# Allegro board OE19_pdb_1v01_b_0704_1000_customer.brd (continued)
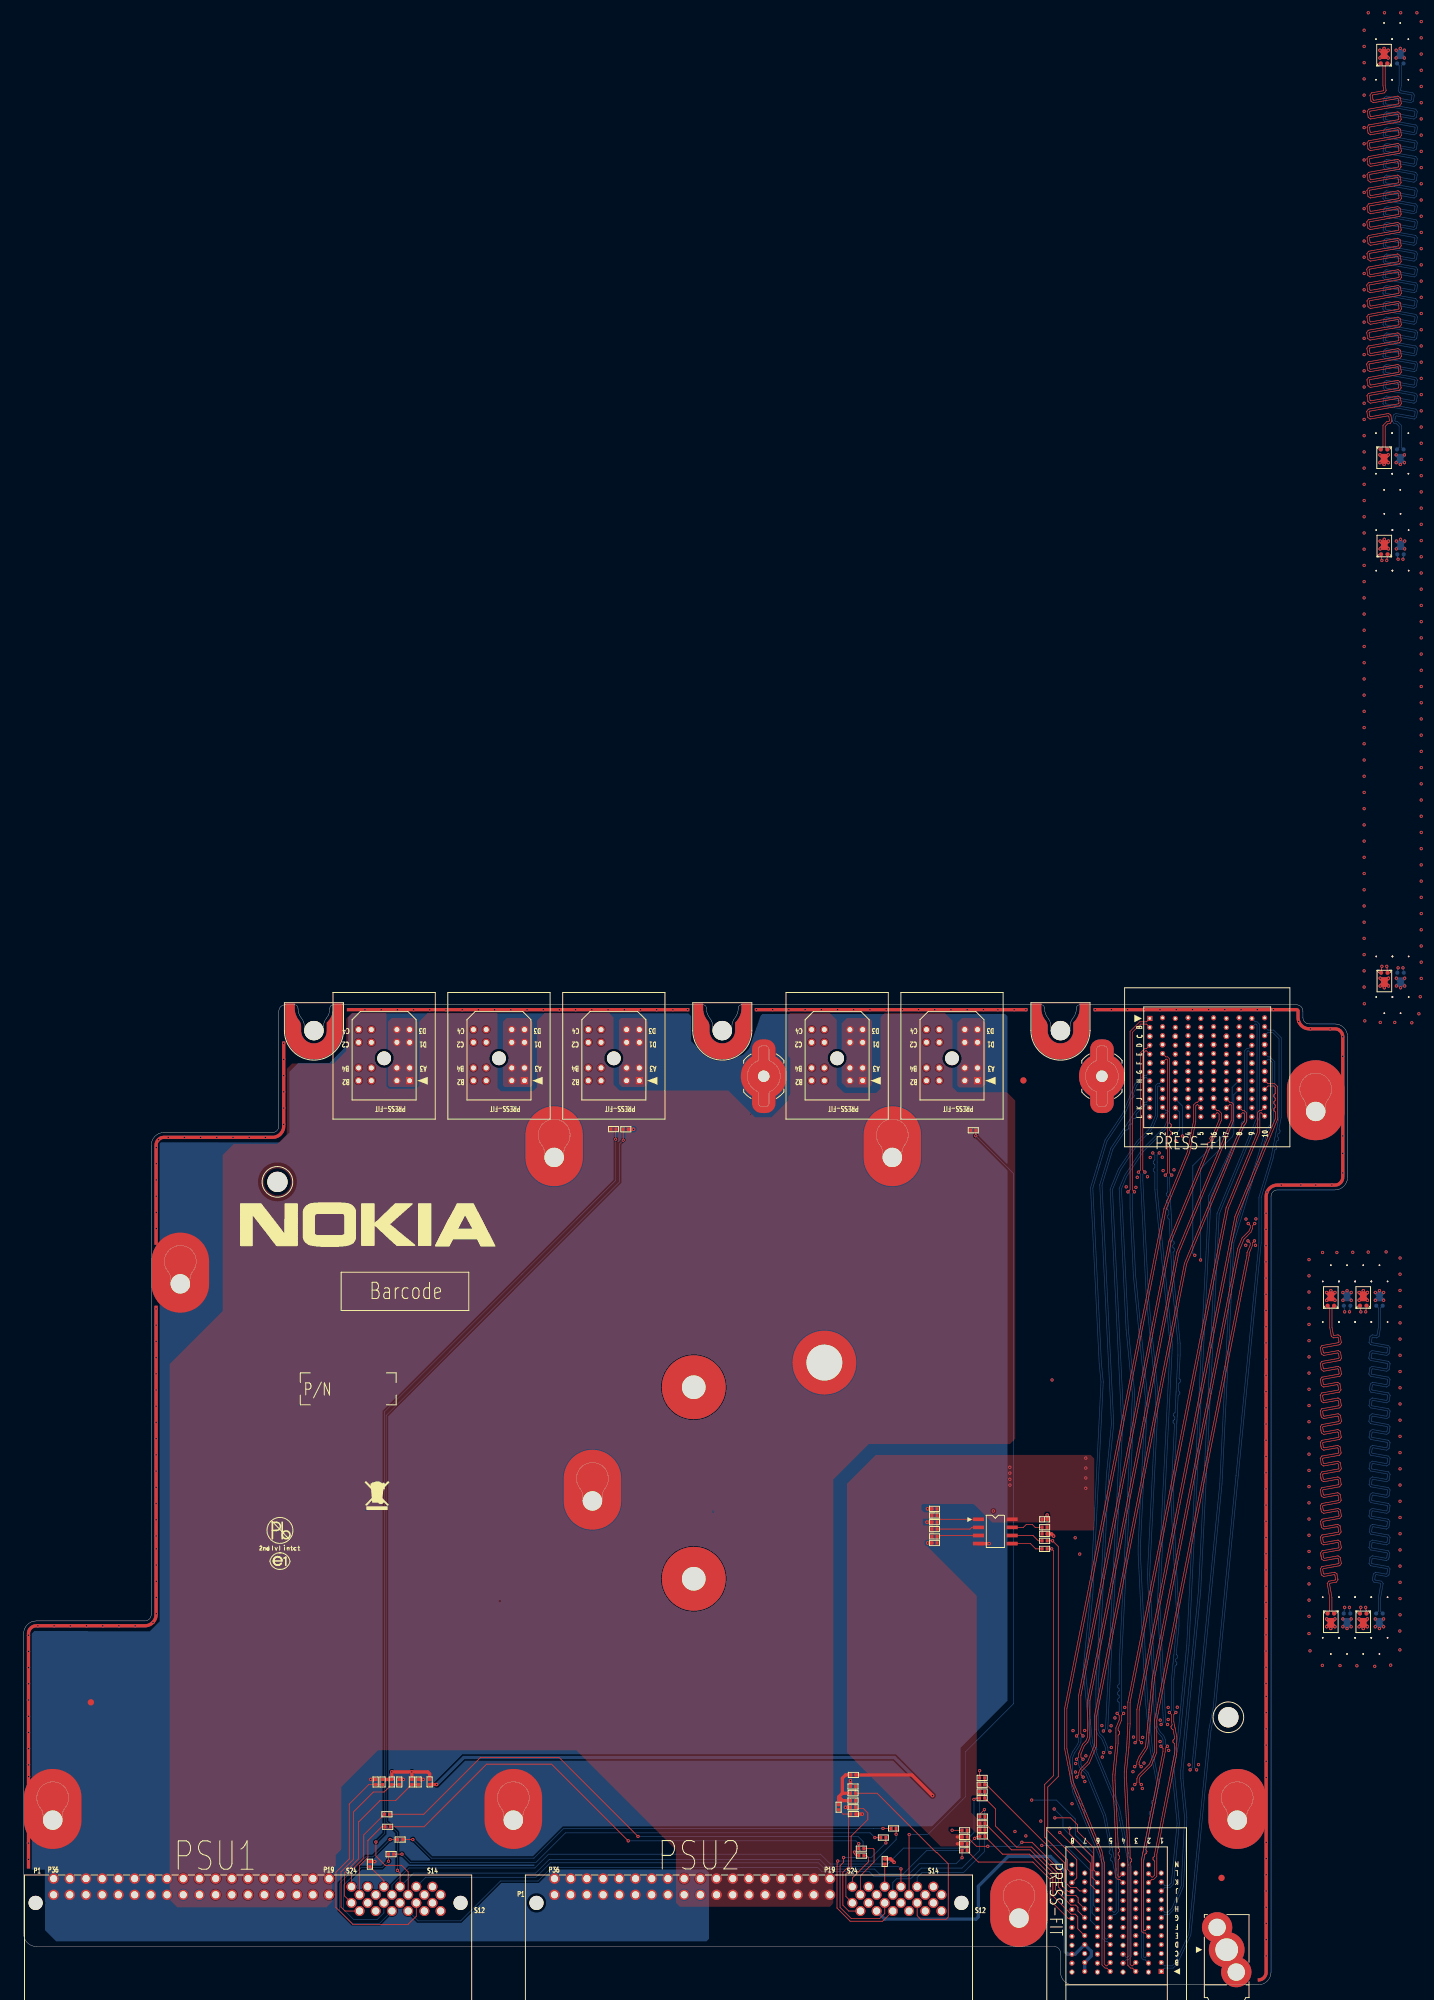
[diagram p0: board, top side]
## Routing (per net, layer and track width the routed paths; a pad name or vN(x,y) marks a point on that pad's centre or on a via; arc(x,y) is an arc through that point) (continued)

## Copper pours and planes (outline as drawn; the poured copper is in the pictures)
GND on TOP (solid shape): 104.33,152.48 50.66,152.48 50.66,152.99 104.33,152.99
GND on TOP (solid shape): 157.33,152.48 114.59,152.48 114.59,152.99 157.33,152.99
GND on TOP (solid shape): 21.02,58 20.43,56.57 19,55.98 2,55.98 1.3,55.7 1.02,55 1.02,18.22 0.51,18.22 0.51,55 0.94,56.05 2,56.49 19,56.49 20.07,56.93 20.51,58 20.51,106.37 21.02,106.37
GND on TOP (solid shape): 41.02,134.5 40.42,133.07 39,132.48 22,132.48 21.3,132.2 21.02,131.5 21.02,115.91 20.51,115.91 20.51,131.5 20.94,132.56 22,132.99 39,132.99 40.07,133.43 40.51,134.5 40.51,147.73 41.02,147.73
GND on TOP (solid shape): 199.5,152.99 199.85,152.85 199.99,152.5 199.99,151.5 200.43,150.43 201.5,149.99 205.5,149.99 206.55,149.56 206.99,148.5 206.99,126.5 206.55,125.44 205.5,125.01 196.5,125.01 195.43,124.57 194.99,123.5 194.99,2 194.55,0.94 193.5,0.51 193.42,0.51 193.42,1.02 193.5,1.02 194.2,1.3 194.48,2 194.48,123.5 195.07,124.93 196.5,125.52 205.5,125.52 206.2,125.8 206.48,126.5 206.48,148.5 206.2,149.2 205.5,149.48 201.5,149.48 200.07,150.07 199.48,151.5 199.48,152.48 167.68,152.48 167.68,152.99
GND on BOTTOM (solid shape): 104.33,152.48 68.44,152.48 68.44,152.99 104.33,152.99
GND on BOTTOM (solid shape): 157.33,152.48 114.59,152.48 114.59,152.99 157.33,152.99
GND on BOTTOM (solid shape): 21.02,58 20.43,56.57 19,55.98 2,55.98 1.3,55.7 1.02,55 1.02,18.22 0.51,18.22 0.51,55 0.94,56.05 2,56.49 19,56.49 20.07,56.93 20.51,58 20.51,106.37 21.02,106.37
GND on BOTTOM (solid shape): 41.02,134.5 40.42,133.07 39,132.48 22,132.48 21.3,132.2 21.02,131.5 21.02,115.91 20.51,115.91 20.51,131.5 20.94,132.56 22,132.99 39,132.99 40.07,133.43 40.51,134.5 40.51,147.74 41.02,147.74
GND on BOTTOM (solid shape): 199.5,152.99 199.85,152.85 199.99,152.5 199.99,151.5 200.43,150.43 201.5,149.99 205.5,149.99 206.55,149.56 206.99,148.5 206.99,126.5 206.55,125.44 205.5,125.01 196.5,125.01 195.43,124.57 194.99,123.5 194.99,2 194.55,0.94 193.5,0.51 193.42,0.51 193.42,1.02 193.5,1.02 194.2,1.3 194.48,2 194.48,123.5 195.07,124.93 196.5,125.52 205.5,125.52 206.2,125.8 206.48,126.5 206.48,148.5 206.2,149.2 205.5,149.48 201.5,149.48 200.07,150.07 199.48,151.5 199.48,152.48 167.68,152.48 167.68,152.99
GND on BOTTOM (solid shape): outline of 5859 points within 1.28,6.81 154.2,152.18
GND on GND (solid shape): outline of 2787 points within 0.51,0.51 206.99,152.99
GND on IN1 (solid shape): 104.33,152.48 68.44,152.48 68.44,152.99 104.33,152.99
GND on IN1 (solid shape): 157.33,152.48 114.59,152.48 114.59,152.99 157.33,152.99
GND on IN1 (solid shape): 21.02,58 20.43,56.57 19,55.98 2,55.98 1.3,55.7 1.02,55 1.02,18.22 0.51,18.22 0.51,55 0.94,56.05 2,56.49 19,56.49 20.07,56.93 20.51,58 20.51,106.37 21.02,106.37
GND on IN1 (solid shape): 41.02,134.5 40.42,133.07 39,132.48 22,132.48 21.3,132.2 21.02,131.5 21.02,115.91 20.51,115.91 20.51,131.5 20.94,132.56 22,132.99 39,132.99 40.07,133.43 40.51,134.5 40.51,147.77 41.02,147.77
GND on IN1 (solid shape): 199.5,152.99 199.85,152.85 199.99,152.5 199.99,151.5 200.43,150.43 201.5,149.99 205.5,149.99 206.55,149.56 206.99,148.5 206.99,126.5 206.55,125.44 205.5,125.01 196.5,125.01 195.43,124.57 194.99,123.5 194.99,2 194.55,0.94 193.5,0.51 193.42,0.51 193.42,1.02 193.5,1.02 194.2,1.3 194.48,2 194.48,123.5 195.07,124.93 196.5,125.52 205.5,125.52 206.2,125.8 206.48,126.5 206.48,148.5 206.2,149.2 205.5,149.48 201.5,149.48 200.07,150.07 199.48,151.5 199.48,152.48 167.68,152.48 167.68,152.99
GND on IN1 (solid shape): outline of 8850 points within 2.05,7.09 163,151.96
GND on IN2 (solid shape): 104.33,152.48 68.44,152.48 68.44,152.99 104.33,152.99
GND on IN2 (solid shape): 157.33,152.48 114.59,152.48 114.59,152.99 157.33,152.99
GND on IN2 (solid shape): 21.02,58 20.43,56.57 19,55.98 2,55.98 1.3,55.7 1.02,55 1.02,18.22 0.51,18.22 0.51,55 0.94,56.05 2,56.49 19,56.49 20.07,56.93 20.51,58 20.51,106.37 21.02,106.37
GND on IN2 (solid shape): 41.02,134.5 40.42,133.07 39,132.48 22,132.48 21.3,132.2 21.02,131.5 21.02,115.91 20.51,115.91 20.51,131.5 20.94,132.56 22,132.99 39,132.99 40.07,133.43 40.51,134.5 40.51,147.78 41.02,147.78
GND on IN2 (solid shape): 199.5,152.99 199.85,152.85 199.99,152.5 199.99,151.5 200.43,150.43 201.5,149.99 205.5,149.99 206.55,149.56 206.99,148.5 206.99,126.5 206.55,125.44 205.5,125.01 196.5,125.01 195.43,124.57 194.99,123.5 194.99,2 194.55,0.94 193.5,0.51 193.42,0.51 193.42,1.02 193.5,1.02 194.2,1.3 194.48,2 194.48,123.5 195.07,124.93 196.5,125.52 205.5,125.52 206.2,125.8 206.48,126.5 206.48,148.5 206.2,149.2 205.5,149.48 201.5,149.48 200.07,150.07 199.48,151.5 199.48,152.48 167.68,152.48 167.68,152.99
GND on GND1 (solid shape): outline of 2787 points within 0.51,0.51 206.99,152.99
GND on TOP: 75.68,151.42 79.11,151.42 79.77,150.77 79.77,140.96 79.43,140.62 75.39,140.62 75.11,140.9 75.11,150.86
GND on TOP: 93.67,151.42 97.24,151.42 97.85,150.81 97.85,141.17 97.32,140.64 93.78,140.64 93.3,141.13 93.3,151.05
GND on TOP: 147.04,151.42 149.96,151.42 150.76,150.63 150.76,141.09 150.19,140.52 146.67,140.52 146.34,140.85 146.34,150.72
GND on TOP: 129.05,151.42 132.48,151.42 132.95,150.95 132.95,140.99 132.48,140.52 129,140.52 128.2,141.32 128.2,150.58
GND on TOP: 57.68,151.42 61.11,151.42 61.77,150.77 61.77,140.96 61.43,140.62 57.39,140.62 57.11,140.9 57.11,150.86
P3V3_RMC_STBY on TOP: 149.22,23.84 148.28,24.78 145.11,24.78 144.93,24.59 144.93,24.15 145.43,23.65 147.33,23.65 147.47,23.51 147.47,21.88 147.26,21.67 143.74,21.67 129.06,36.35 129.06,78.51 133.55,83 167.21,83 167.79,82.41 167.79,71.33 167.63,71.17 160.12,71.17 160.03,71.26 160.03,72.07 160.31,72.35 160.59,72.35 160.84,72.6 160.84,73.92 160.66,74.1 160.19,74.1 159.97,73.89 159.97,72.53 159.86,72.42 151.78,72.42 148.91,75.29 140.88,75.29 140.71,75.12 140.71,74.41 141.1,74.01 142.63,74.01 142.76,73.88 142.76,73.19 142.58,73.01 141.01,73.01 140.93,72.93 140.93,72.11 141.11,71.93 142.52,71.93 142.73,71.73 142.73,69.98 142.59,69.85 142.07,69.85 141.6,69.37 141.6,68.71 149.36,60.94 149.36,32.11 149.56,31.92 149.93,31.92 150.23,31.62 150.23,29.86 150.04,29.66 148.7,29.66 148.51,29.47 148.51,26.98 149.6,25.88 150.11,25.88 150.29,25.7 150.29,23.95 150.18,23.84
P3V3_RMC_STBY on IN1: 152.66,82.87 155.86,82.87 156.29,82.44 156.29,23.83 156.27,23.82 163.67,16.42 163.67,4.68 164.12,4.23 164.64,4.23 164.93,3.94 164.93,2.75 164.78,2.6 163.49,2.6 162.79,3.29 162.79,5.68 160.76,7.7 160.76,15.51 152.11,24.17 152.11,82.32
P3V3_RMC_STBY on VCC1: 161.75,49.31 161.75,147.06 163.99,147.43 165.02,149.46 165.02,150.13 165.07,150.46 165.23,150.75 165.73,151.57 165.98,152.48 199.48,152.48 199.48,151.5 200.07,150.07 201.5,149.48 205.5,149.48 206.2,149.2 206.48,148.5 206.48,126.5 206.2,125.8 205.5,125.52 196.5,125.52 195.07,124.93 194.48,123.5 194.48,49.31 ; 22 cut-outs
P12V_PSU on IN2 (solid shape): outline of 10114 points within 2.05,7.09 163,151.96
P12V_PSU on TOP: 24.08,12.14 22.91,13.31 22.91,97.25 31.19,105.53 31.19,129.95 32.96,131.72 39.78,131.72 41.24,133.18 41.24,143.49 42.06,144.3 48.6,144.3 50.58,146.28 50.58,151.38 51.45,152.25 56.76,152.25 56.85,152.16 56.85,140.8 57.28,140.37 61.55,140.37 62.02,140.84 62.02,150.9 63.37,152.25 74.08,152.25 74.27,152.06 74.27,140.51 74.8,139.97 79.83,139.97 80.47,140.61 80.47,151 82.44,152.98 90.99,152.98 92.45,151.52 92.45,141.02 93.38,140.09 110.38,140.09 114.6,135.87 117.21,135.87 119.84,138.5 119.84,151.94 120.87,152.98 125.57,152.98 127.45,151.1 127.45,140.88 128.63,139.7 133.65,139.7 134.31,140.36 134.31,151.57 135.72,152.98 143.61,152.98 145.59,151 145.59,140.61 146.38,139.82 154.08,139.82 155.41,138.5 155.41,85.53 154.58,84.7 132.42,84.7 126.88,79.15 126.88,21.17 126.88,21.16 126.88,12.77 126.34,12.23 102.87,12.23 102.23,12.86 102.23,21.12 86.61,36.75 55.56,36.75 49.77,30.95 49.77,21.21 48.91,20.35 48.91,18.68 48.37,18.14 48.37,13.04 47.47,12.14
P12V_PSU on VCC: 2,7.02 1.3,7.3 1.02,8 1.02,55 1.3,55.7 2,55.98 19,55.98 20.43,56.57 21.02,58 21.02,131.5 21.3,132.2 22,132.48 40.57,132.48 41.16,133.08 41.16,143.58 42.17,144.59 48.3,144.59 50.35,146.64 50.35,152.39 50.44,152.48 106.02,152.48 106.27,151.57 106.77,150.75 106.93,150.46 106.98,150.13 106.98,149.46 109.5,146.94 112.02,149.46 112.02,150.13 112.07,150.46 112.23,150.75 112.73,151.57 112.98,152.48 159.02,152.48 159.27,151.57 159.77,150.75 159.93,150.46 159.98,150.13 159.98,149.46 162.5,146.94 165.02,149.46 165.02,150.13 165.07,150.46 165.23,150.75 165.73,151.57 165.98,152.48 199.48,152.48 199.48,151.5 200.07,150.07 201.5,149.48 205.5,149.48 206.2,149.2 206.48,148.5 206.48,126.5 206.2,125.8 205.5,125.52 196.5,125.52 195.07,124.93 194.48,123.5 194.48,49.31 152.38,49.31 128.05,24.98 128.05,13.18 127.55,12.68 83.26,12.68 82.5,13.45 82.5,16.15 81.11,17.54 51.21,17.54 49.32,15.65 49.32,7.02 ; 29 cut-outs
P12V_PSU on VCC1: 2,7.02 1.3,7.3 1.02,8 1.02,55 1.3,55.7 2,55.98 19,55.98 20.43,56.57 21.02,58 21.02,131.5 21.3,132.2 22,132.48 39.97,132.48 41.12,133.63 41.12,144.58 41.2,144.66 47.17,144.66 50.42,147.91 50.42,152.12 50.79,152.48 106.02,152.48 106.27,151.57 106.77,150.75 106.93,150.46 106.98,150.13 106.98,149.46 109.5,146.94 112.02,149.46 112.02,150.13 112.07,150.46 112.23,150.75 112.73,151.57 112.98,152.48 159.02,152.48 159.27,151.57 159.77,150.75 159.93,150.46 159.98,150.13 159.98,149.46 160.32,148.2 161.25,147.28 161.25,49.31 152.34,49.31 128.05,25.02 128.05,13.18 127.55,12.68 83.26,12.68 82.5,13.45 82.5,16.15 81.11,17.54 51.21,17.54 49.32,15.65 49.32,7.02 ; 7 cut-outs
P12V_PSU_STBY on VCC: 164.5,1.02 163.8,1.3 163.52,2 163.52,5 162.93,6.43 161.5,7.02 49.82,7.02 49.82,15.44 51.42,17.03 80.9,17.03 81.99,15.94 81.99,13.24 83.05,12.17 127.76,12.17 128.56,12.97 128.56,24.77 152.59,48.8 194.48,48.8 194.48,2 194.2,1.3 193.5,1.02 ; 22 cut-outs
P12V_PSU_STBY on VCC1: 164.5,1.02 163.8,1.3 163.52,2 163.52,5 162.93,6.43 161.5,7.02 49.82,7.02 49.82,15.44 51.42,17.03 80.9,17.03 81.99,15.94 81.99,13.24 83.05,12.17 127.76,12.17 128.56,12.97 128.56,24.81 152.55,48.8 194.48,48.8 194.48,2 194.2,1.3 193.5,1.02 ; 22 cut-outs
TGND on GND: 219.44,1.13 218.27,-0.03 198.93,-0.03 197.41,1.49 197.41,108.01 196.96,108.46 196.01,108.46 196.01,109.16 196.91,109.16 197.47,109.72 197.47,121.24 198.75,122.52 208.2,122.52 209.47,123.79 209.47,317.55 210.86,318.95 218.12,318.95 219.44,317.63
TGND on VCC: 199.86,0.2 197.67,2.38 197.67,115.1 196.52,115.1 196.52,116.85 197.7,116.85 198.2,117.35 198.2,120.97 199.49,122.27 208.37,122.27 209.6,123.5 209.6,317.02 211.32,318.74 217.44,318.74 219.41,316.78 219.41,2.38 217.23,0.2 ; 8 cut-outs
TGND on VCC1: 199.86,0.2 197.67,2.38 197.67,116.85 197.7,116.85 198.2,117.35 198.2,120.97 199.49,122.27 208.37,122.27 209.6,123.5 209.6,317.02 211.32,318.74 217.44,318.74 219.41,316.78 219.41,2.38 217.23,0.2 ; 8 cut-outs
TGND on GND1: 198.93,-0.03 197.41,1.49 197.41,108.01 196.96,108.46 196.01,108.46 196.01,109.16 196.91,109.16 197.47,109.72 197.47,121.24 198.75,122.52 208.2,122.52 209.47,123.79 209.47,317.55 210.86,318.95 218.12,318.95 219.44,317.63 219.44,1.13 218.27,-0.03 ; 24 cut-outs
Net_7 on TOP (solid shape): 159.49,152.96 159.66,151.96 160.4,150.63 160.49,150.13 160.49,149.46 162.5,147.45 164.51,149.46 164.51,150.72 165.25,151.73 165.51,152.96 165.51,153.7 167,153.7 167,149.46 162.5,144.96 158,149.46 158,153.7 159.49,153.7
Net_8 on BOTTOM (solid shape): 159.49,152.96 159.66,151.96 160.4,150.63 160.49,150.13 160.49,149.46 162.5,147.45 164.51,149.46 164.51,150.72 165.25,151.73 165.51,152.96 165.51,153.7 167,153.7 167,149.46 162.5,144.96 158,149.46 158,153.7 159.49,153.7
Net_9 on TOP (solid shape): 106.49,152.96 106.66,151.96 107.4,150.63 107.49,150.13 107.49,149.46 109.5,147.45 111.51,149.46 111.51,150.72 112.25,151.73 112.51,152.96 112.51,153.7 114,153.7 114,149.46 109.5,144.96 105,149.46 105,153.7 106.49,153.7
Net_10 on BOTTOM (solid shape): 106.49,152.96 106.66,151.96 107.4,150.63 107.49,150.13 107.49,149.46 109.5,147.45 111.51,149.46 111.51,150.72 112.25,151.73 112.51,152.96 112.51,153.7 114,153.7 114,149.46 109.5,144.96 105,149.46 105,153.7 106.49,153.7
Net_11 on TOP (solid shape): 42.49,152.96 42.66,151.96 43.4,150.63 43.49,150.13 43.49,149.46 45.5,147.45 47.51,149.46 47.51,150.72 48.25,151.73 48.51,152.96 48.51,153.7 50,153.7 50,149.46 45.5,144.96 41,149.46 41,153.7 42.49,153.7
Net_12 on BOTTOM (solid shape): 42.49,152.96 42.66,151.96 43.4,150.63 43.49,150.13 43.49,149.46 45.5,147.45 47.51,149.46 47.51,150.72 48.25,151.73 48.51,152.96 48.51,153.7 50,153.7 50,149.46 45.5,144.96 41,149.46 41,153.7 42.49,153.7

## Text on the board
User.Comments: F
Ref Des/Silkscreen Top: PSU1 | PSU2
User.43: GOLD:RECOMMENDED DRILL SIZE FOR 0.745MM FINISHED PTH IS 0.81-0.86MM(0.85MM DRILL) | IMMERSION TIN/IMMERSION SILVER/COPPER:RECOMMENDED DRILL SIZE FOR 0.75MM FINISHED PTH IS 0.81-0.86MM(0.85MM DRILL). | TIN-LEAD:RECOMMENDED DRILL SIZE FOR 0.725MM FINISHED PTH IS 0.81-0.86MM(0.85MM DRILL) | (0.4MM FINISH PTH- DRILL TOLERANCE FOR TIN LEAD 0.47-0.51MM; COPPER OSP/TIN/SILVER 0.44-0.5MM) | NON-MARK:RECOMMENDED DRILL SIZE FOR 0.4MM FINISHED PTH IS 0.5MM METRIC DRILL OR #77 ENGLISH DRILL. | O:RECOMMENDED DRILL SIZE FOR 0.5MM FINISHED PTH IS 0.6MM METRIC DRILL OR #74 ENGLISH DRILL. | (0.5MM FINISH PTH- DRILL TOLERANCE FOR TIN LEAD 0.57-0.61MM; COPPER OSP/TIN/SILVER 0.54-0.6MM)
User.45: FIGURE | SIZE | 10.0 | 15.74 | 19.68 | 29.52 | 44.0 | 107.0 | 119.0 | 140.0 | 146.0 | 204.0 | 221.0 | 39.0 | 85.0 | 87.0 | 125.0 | DRILL CHART: TOP to BOTTOM | ALL UNITS ARE IN MILS | TOLERANCE | +0.0/-10.0 | +1.96/-1.96 | +3.0/-3.0 | +3.0/-0.0 | +2.0/-2.0 | +2.0/-0.0 | PLATED | NON-PLATED | QTY | 38 | 570 | 154 | 66 | 80 | 120 | 2 | 9 | 1 | 5 | 4 | 3
